# Altium PCB main_io.PcbDoc (part 4 of 6)
Units mil, origin at the board's own origin, x right, y up, seen from the top; angles counter-clockwise.
Board outline 6000 x 9000 mil, 4 copper layers (Top Layer, GND, PWR, Bottom Layer), stack 25.634 mil thick; 548 components, 268 nets, 1608 pads, 404 vias.
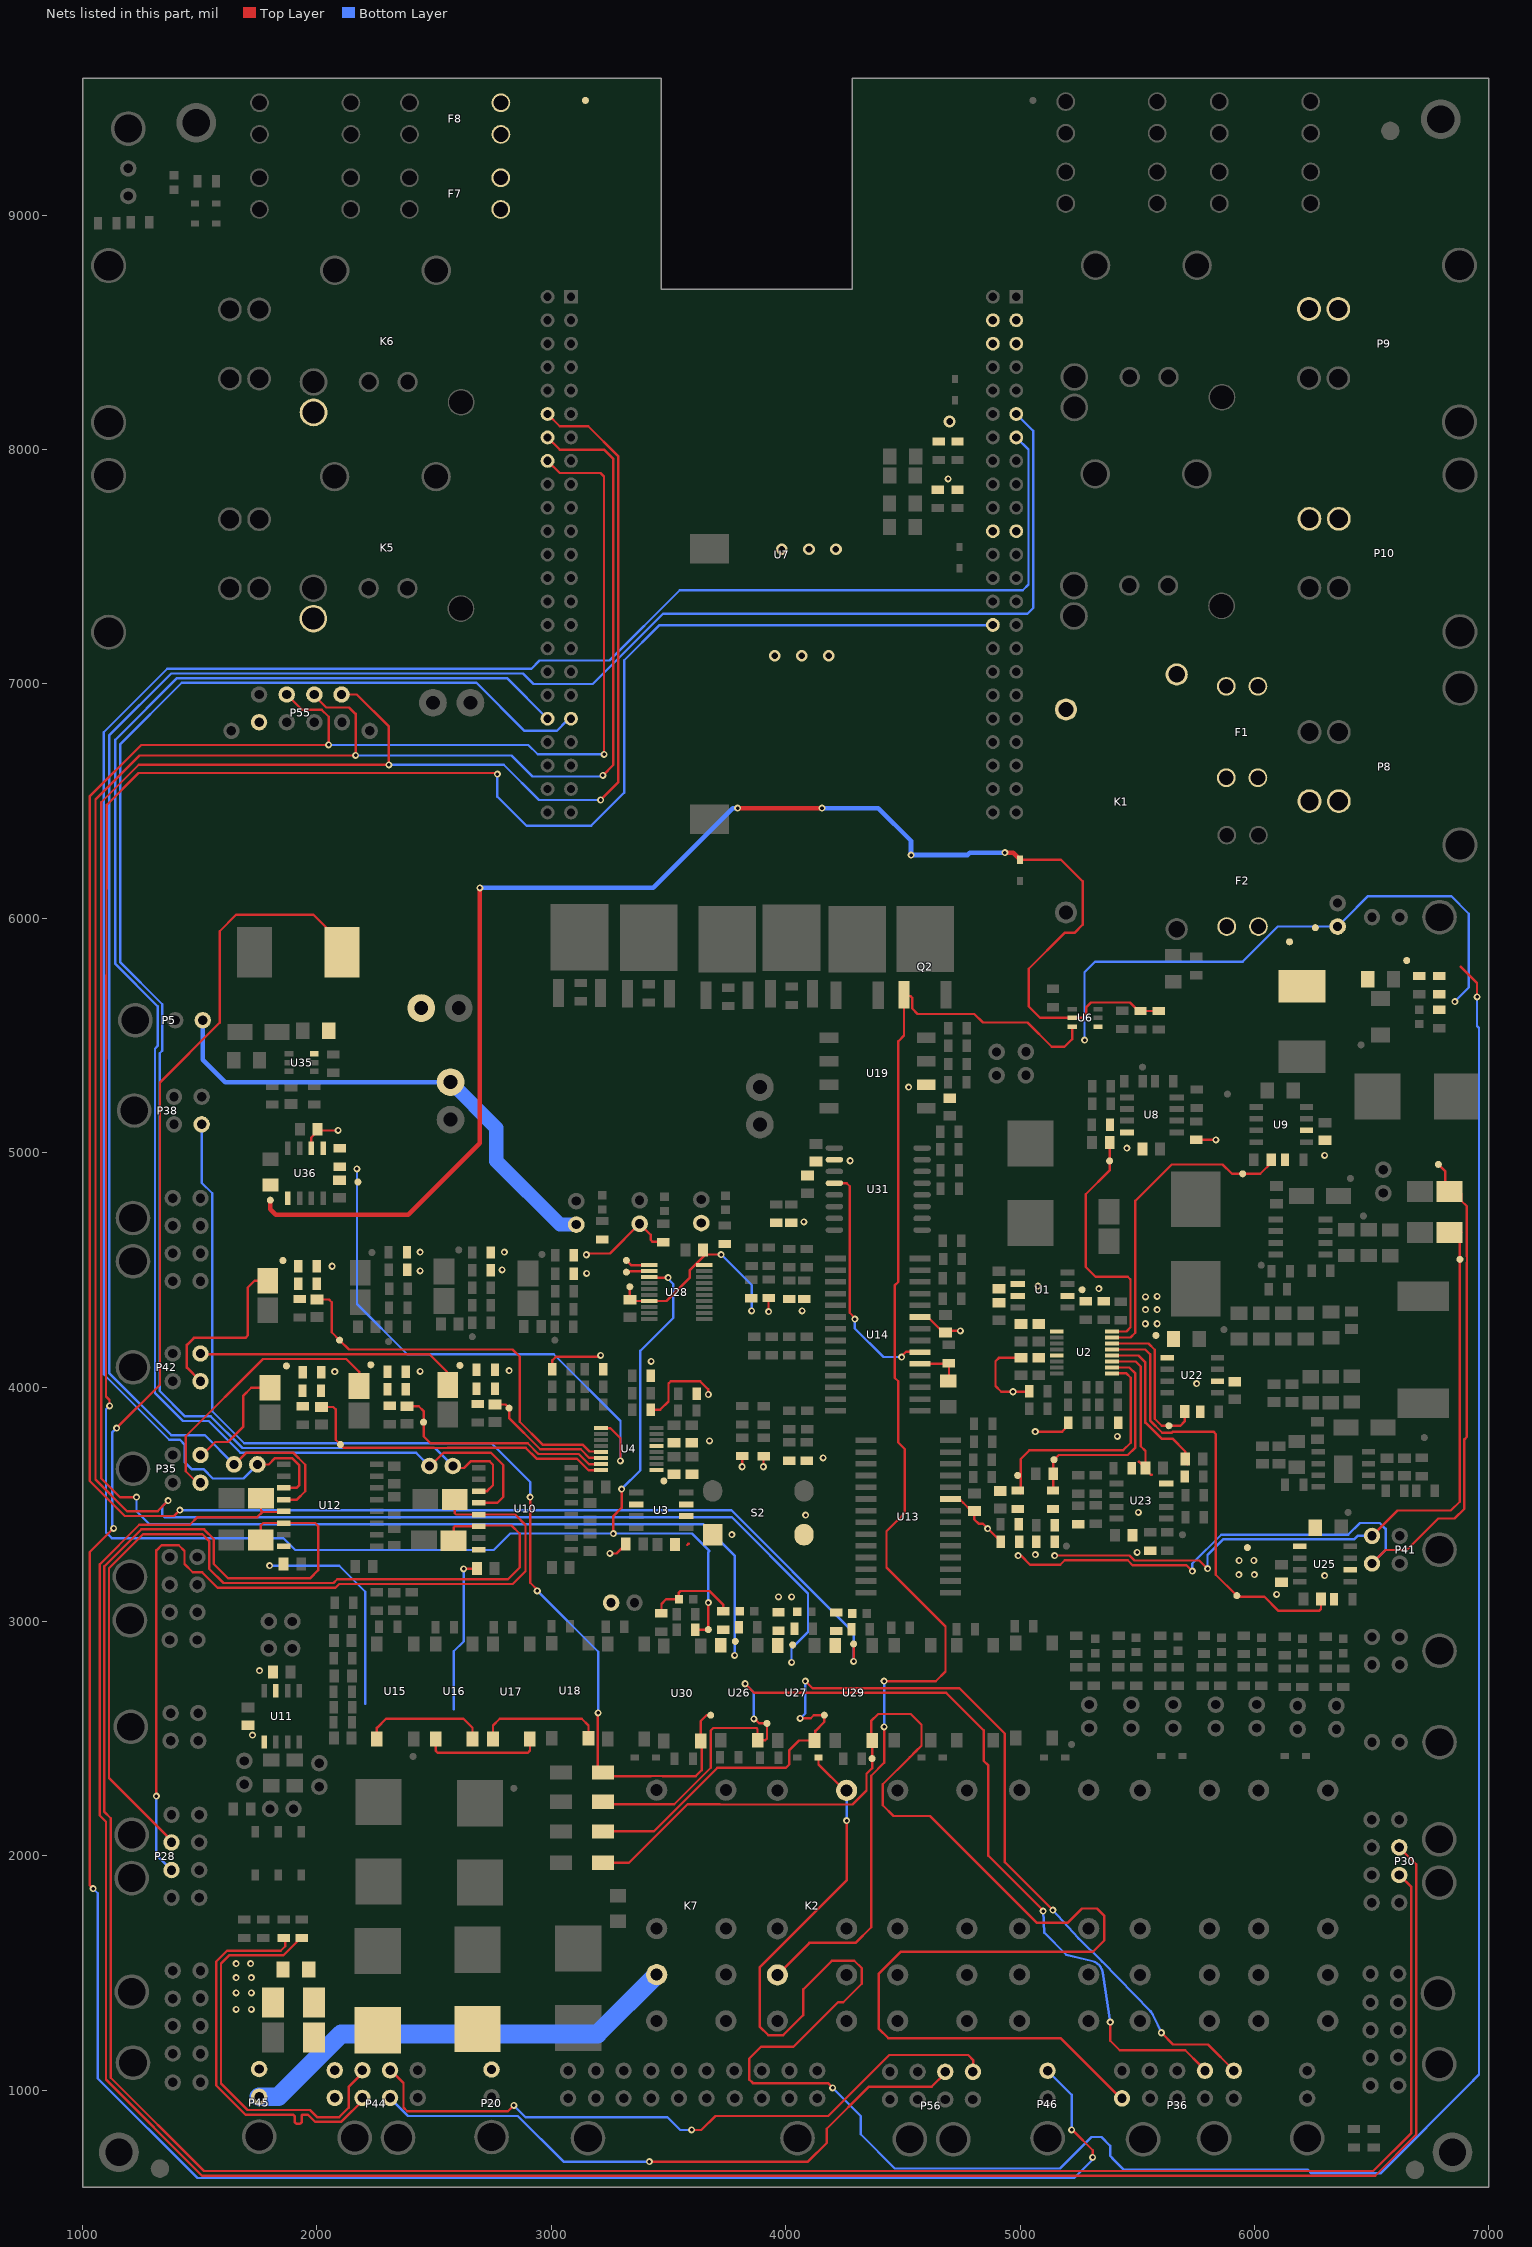
[diagram p6: the nets of this part, all layers, seen from the top]

## Via types
v1: diameter 30, hole 15, Top Layer to Bottom Layer, 396 vias
v2: diameter 50, hole 28, Top Layer to Bottom Layer, 8 vias

## Nets (pads, with @x,y where several pads share a name; then routed paths per layer and width w, separated by ;. In a path a pad name is that pad's centre, name@x,y a point inside that pad or via, vN(x,y) a via of type N, cw(c..) or ccw(c..) an arc to the next point about the centre after c; other vN are vias at no path point) (continued)
NetR213_1: R213.1 U36.5
NetU15_3: U15.3 U16.4 | length 535.3
  Top Layer w10: U15.3@2255.79,2498.5 2255.79,2545.79 2295,2585 2625,2585 2663.74,2546.26 U16.4@2663.74,2498.5
NetU16_3: U16.3 U17.4 | length 508.6
  Top Layer w10: U16.3@2506.26,2498.5 2506.26,2448.74 2515,2440 2900,2440 2908.74,2448.74 U17.4@2908.74,2497.87
NetU17_3: U17.3 U18.4 | length 548.1
  Top Layer w10: U17.3@2751.26,2497.87 2751.26,2556.26 2780,2585 3130,2585 3158.74,2556.26 U18.4@3158.74,2497.87
PRECHG_HRN: R67.1 R68.2 U14.5 | length 163.5
  Top Layer w10: U14.5@4573.13,4098.78 4689,4098.78 4696.87,4090.91 R67.1@4696.87,4054.41
PUMP_POS: F14.1 P45.2
PUMP_RET: K7.3 P45.1 | length 1912.1
  Bottom Layer w80: P45.1@1753.23,972 1835.52,972 2103.52,1240 3197.13,1240 K7.3@3449.72,1492.6
RETRO_0_MCU: P55.4 R162.1 R163.1 TP45.1 U7.112 U26.4 | length 10740
  Top Layer w10: v1(1230,3530) 1160,3530 1080,3610 1080,6495 1240,6655 v1(2307,6655) 2307,6818 2170,6955 P55.4@2105,6955 ; U7.112@2984,8152 3036,8100 3157.97,8100 3285,7972.97 3285,6580 v1(3210,6505) ; U26.4@3722.52,2898.39 U26.4@3722.52,2899.29
  Bottom Layer w10: v1(1230,3530) 1230,3470 1285,3415 3648.58,3415 3782,3281.58 v1(3782,2855) ; v1(2307,6655) 2797,6655 2947,6505 v1(3210,6505)
RETRO_0_SIG: D24.1 P36.7 TP46.1 U26.2 | length 4401.4
  Top Layer w10: D24.1@3221.21,2230 3231.49,2219.72 3524.31,2219.72 3680,2375.42 3680,2534.37 3690.63,2545 3875,2545 3880,2540 U26.2@3880,2492.87 3912.87,2492.87 3920,2500 TP46.1@3920,2565 3887.68,2565 3868.93,2583.75 v1(3864,2583.75) ; v1(3826.84,2734.07) 3865.91,2695 4685,2695 4845,2535 4845,2404.88 4865,2384.88 4865,2000 5098.79,1766.21 v1(5098.79,1763.79) ; v1(5385,1290) 5385,1210.39 5425.39,1170 5705,1170 5770,1105 P36.7@5770,1090
  Bottom Layer w10: v1(3826.84,2734.07) 3864,2696.91 v1(3864,2583.75) ; v1(5098.79,1763.79) 5102.93,1672.07 5197.07,1577.93 5307.29,1551.17 cw(c5293.07,1492.6) 5352.66,1501.7 v1(5385,1290)
RETRO_1_MCU: P55.3 R165.1 R166.1 TP47.1 U7.114 U27.4 | length 10940.5
  Top Layer w10: v1(1365,3515) 1320,3470 1190,3470 1055,3605 1055,6506.72 1243.28,6695 v1(2165,6695) 2165,6872.4 2137.4,6900 2039.8,6900 1984.8,6955 P55.3@1989,6955 ; U7.114@2984,8052 3036,8000 3225,8000 3265,7960 3265,6655 v1(3220,6610)
  Bottom Layer w10: v1(1365,3515) 1340,3490 1340,3455 1350,3445 3769.72,3445 4095,3119.72 4095,2955 4024.76,2884.76 4025,2884.53 v1(4025,2825) ; v1(2165,6695) 2830,6695 2920,6605 3215,6605 v1(3220,6610)
RETRO_1_SIG: D25.1 P36.6 TP49.1 U27.2 | length 4362.9
  Top Layer w10: D25.1@3221.21,2104 3436.87,2104 3707.87,2375 4000,2375 4016,2391 4016,2451 4057.24,2492.24 U27.2@4123.03,2492.24 4126.88,2496.09 4126.88,2532.88 4165,2571 TP49.1@4165,2600 4120,2600 4106.71,2586.71 4062.71,2586.71 v1(4062,2586) ; v1(4084.17,2745.08) 4084.92,2745.08 4115,2715 4741.69,2715 4935,2521.69 4935,1973.1 v1(5139.87,1768.23) ; v1(5603.34,1244.97) 5653.31,1195 5802.28,1195 P36.6@5914.28,1083
  Bottom Layer w10: v1(4062,2586) 4084.17,2608.17 v1(4084.17,2745.08) ; v1(5139.87,1768.23) 5248.49,1648.88 ccw(c5293.07,1689.45) 5250.87,1646.41 5349.28,1549.92 cw(c5293.07,1492.6) 5350.63,1548.56 5556.01,1337.29 cw(c5512.8,1295.28) 5567.26,1321.09 v1(5603.34,1244.97)
RETRO_2_MCU: P55.2 R170.1 R173.1 TP51.1 U7.116 U29.4 | length 10764.7
  Top Layer w10: v1(1415,3475) 1390,3450 1180,3450 1030,3600 1030,6520 1250,6740 v1(2050,6740) 2050,6860 2020,6890 1936,6890 P55.2@1871,6955 ; U7.116@2984,7952 3036,7900 3210,7900 3225,7885 v1(3225,6700) ; v1(4290,2830) 4290,2894.02 4295,2899.02 TP51.1@4290,2904.02
  Bottom Layer w10: v1(1415,3475) 3768,3475 4290,2953 v1(4290,2830) ; v1(2050,6740) 2902,6740 2942,6700 v1(3225,6700)
RETRO_2_SIG: D26.1 P36.5 TP52.1 U29.2 | length 5933
  Top Layer w10: D26.1@3221.21,1970 3331.15,1970 3581.15,2220 3719.76,2220 3720.78,2218.98 4284.97,2218.98 4345,2279.01 4345,2350 4368.74,2373.74 TP52.1@4368.74,2415 U29.2@4368.74,2492.24 4364.5,2496.48 4364.5,2574.5 4395,2605 4533.71,2605 4579.72,2558.98 4579.72,2469.72 4556.57,2446.57 4555.79,2446.57 4530,2420.78 4414.14,2304.92 4414.14,2215.86 4460,2170 4615.24,2170 5070.24,1715 5205,1715 5265,1775 5328,1775 5360,1743 5360,1640 5310,1590 4490.43,1590 4396.64,1496.22 4396.64,1263.36 4438,1222 5173,1222 P36.5@5435,960
RETRO_WHEEL_MCU: R178.2 TP53.1 U7.30 U28.3 | length 12148.9
  Top Layer w10: v1(1115,3920) 1115,3945 1100,3960 1100,5037.11 1103.78,6485 1238.78,6620 2775,6620 v1(2770,6615) ; v1(3265,3375) 3265,3450 3300,3485 v1(3300,3565) ; U28.3@3418.31,4469.29 3420.63,4466.97 v1(3498.03,4466.97) ; R178.2@3614.17,2964.65 3669.59,2964.65 TP53.1@3669.95,2965 3675,2970.05 3669.95,2975.11 3670,2975.16 v1(3670,3080)
  Bottom Layer w10: v1(1115,3920) 1100,3905 1100,3380 1125,3355 1857.6,3355 1907.6,3305 2754.43,3305 2824.43,3375 v1(3265,3375) 3600,3375 3675,3300 3669.95,3294.95 3670,3294.89 v1(3670,3080) ; v1(2770,6615) 2770,6519 2894,6395 3170,6395 3311.36,6536.36 3311.36,7101.36 3460,7250 U7.30@4884,7250 ; v1(3300,3565) 3380,3645 3380,4155 3520,4295 3520,4440 3498.03,4461.97 v1(3498.03,4466.97)
RETRO_WHEEL_SIG: D27.1 P38.3 TP54.1 U30.2 | length 4807.2
  Top Layer w10: v1(2910,3530) 2910,3165 2945,3130 v1(2940,3130) ; v1(3200,2610) 3198.35,2608.35 3198.35,2373.26 3200.39,2371.21 3205,2371.21 D27.1@3221.21,2355 3236.21,2340 3424.48,2340 3424.76,2340.28 3474.69,2340.28 3474.97,2340 3616.3,2340 3641.77,2365.47 3641.77,2485.71 U30.2@3637.48,2490 3637.48,2575 3662.48,2600 TP54.1@3680,2600
  Bottom Layer w10: P38.3@1508,5121 1508,4871.95 1553,4826.95 1553,3897 1690,3760 1708.22,3760 1708.54,3760.32 1783.46,3760.32 1783.78,3760 2745,3760 2910,3595 v1(2910,3530) ; v1(2940,3130) 2940.79,3130 3200,2870.79 v1(3200,2610)
RMS_CAN_N: P44.3 R137.2 | length 1664.3
  Top Layer w10: R137.2@1865,1640.63 1865,1614.29 1845.71,1595 1616.72,1595 1570.28,1548.56 1570.28,1019.72 1695,895 1860,895 1875,895 1896,895 cw(c1896,886) 1905,886 1905,866.11 ccw(c1914,866.11) 1914,857.11 1926,857.11 ccw(c1926,866.11) 1935,866.11 1935,890 cw(c1940,890) 1940,895 1961.72,895 1991.72,865 2103.28,865 2108.28,870 2109,870 P44.3@2194,955
RMS_CAN_P: P44.7 R136.2 | length 1683.3
  Top Layer w10: R136.2@1927.96,1637.84 1919.02,1637.84 1856.17,1575 1625,1575 1590.28,1540.28 1590.28,1028.01 1703.28,915 1970,915 2000,885 2095,885 2135,925 2135,1014 P44.7@2194,1073
RMS_Contactor_SIG: P44.6 P56.5 | length 2867.6
  Top Layer w10: P44.6@2312,1073 2327,1073 2369.63,1030.37 2369.63,925.65 2385.28,910 2815,910 v1(2840,935) ; v1(3599.14,830) 3640,830 3700,890 4181.72,890 4441.72,1150 4778.69,1150 4799.71,1128.98 P56.5@4799.71,1073
  Bottom Layer w10: v1(2840,935) 2890.5,884.5 3495.5,884.5 3550,830 v1(3599.14,830)
RMS_Precharge_SIG: P44.2 P56.6 | length 2674.1
  Top Layer w10: v1(3418.31,695) 4095,695 4175,775 4175,835 4355,1015 4623.71,1015 P56.6@4681.71,1073
  Bottom Layer w10: P44.2@2312,967 2389,890 2856.72,890 3051.72,695 v1(3418.31,695)
RMS_PWR: C50.1 F13.1 P44.4 P44.8
RTC_RST_n: U14.6 U31.4 | length 1016.4
  Top Layer w10: U31.4@4207.99,4870 4260,4870 4273.13,4856.87 4273.13,4316.87 4295,4295 v1(4295,4290) ; v1@4500.12,4138 4513.18,4151.06 4570.85,4151.06 U14.6@4573.13,4148.78
  Bottom Layer w10: v1(4295,4290) 4295,4250 4416.87,4128.13 v1(4495,4128.13)
SLG_EN: TP48.1 U28.1 | length 106.3
  Top Layer w10: TP48.1@3320.24,4540.32 3340.08,4520.47 U28.1@3418.31,4520.47
SLG_RST: TP50.1 U28.2 | length 100
  Top Layer w10: TP50.1@3320.24,4490.32 3324.8,4494.88 U28.2@3418.31,4494.88
TELEM_I_5V: C61.1 R144.2 TP38.1 U2.14 | length 676.4
  Top Layer w10: U2.14@5393.11,4186.2 5547.82,4186.2 5575,4159.02 5575,3865.02 5605.02,3835 5684.35,3835 5702.4,3853.05 C61.1@5702.4,3895
TELEM_I_12V: C72.1 R156.2 TP43.1 U2.13 | length 1920
  Top Layer w10: U2.13@5393.11,4160.61 5534.39,4160.61 5555,4140 5555,3856.73 5606.73,3805 5647.43,3805 5652.43,3810 5825,3810 5835.51,3799.49 5835.51,3199.49 TP43.1@5925,3110 5930,3105 6042.99,3105 6102.99,3045 6276,3045 6284.4,3053.4 C72.1@6284.4,3095
TELEM_I_24V: C18.1 R59.2 TP11.1 U2.15 | length 1363.4
  Top Layer w10: U2.15@5393.11,4211.79 5471.74,4211.79 5492.05,4232.09 5492.05,4386.98 5492.05,4794.56 5647.49,4950 5864.37,4950 5904.37,4910 TP11.1@5950,4910 6025,4910 6072.4,4957.4 C18.1@6072.4,4970
TELEM_I_28V: C85.1 R213.2 TP58.1 U4.9 | length 2276.6
  Top Layer w10: U4.9@3212.29,3825.75 3212.29,3824.02 3252.7,3824.02 3295,3781.72 v1(3295,3685)
  Bottom Layer w10: v1(2170.8,4931.13) 2170.8,4354.2 2385,4140 3010,4140 3295,3855 v1(3295,3685)
TELEM_THERM_0: C41.1 R111.2 TP19.1 U4.16 | length 1381.9
  Top Layer w10: C41.1@2019.41,3914.91 2069.91,3914.91 2080,3904.83 2080,3775 2114.57,3740.43 2498.88,3740.43 2499.32,3740 2556.67,3740 2557.1,3740.43 2890.91,3740.43 2936.34,3695 2936.86,3695 2937.3,3694.57 3108.67,3694.57 3158.39,3644.85 3210.52,3644.85 U4.16@3212.29,3646.61
TELEM_THERM_1: C42.1 R112.2 TP20.1 U4.15 | length 994
  Top Layer w10: C42.1@2385,3918.09 2434.54,3918.09 2455,3897.63 2455,3835 2455,3790 2484.57,3760.43 2507.17,3760.43 2507.6,3760 2548.38,3760 2548.82,3760.43 2899.2,3760.43 2944.63,3715 2945.15,3715 2945.58,3714.57 3116.95,3714.57 3161.05,3670.47 3210.56,3670.47 U4.15@3212.29,3672.2
TELEM_THERM_2: C40.1 R110.2 TP18.1 U2.9 | length 1015.3
  Top Layer w10: TP18.1@4989.96,3623.03 TP18.1@4995,3628.07 ; R110.2@5002.83,3546.98 5002.83,3692.83 5040,3730 5440,3730 5472.09,3762.09 5472.09,4039.92 5453.76,4058.24 U2.9@5393.11,4058.24
TELEM_THERM_3: C46.1 R123.2 TP28.1 U2.10 | length 927.6
  Top Layer w10: R123.2@5140.63,3558.42 5142.4,3560.2 C46.1@5142.4,3630 5142.4,3687.4 TP28.1@5145,3690 5165,3710 5460,3710 5492.09,3742.09 5492.09,4057.91 5466.17,4083.83 U2.10@5393.11,4083.83
TELEM_THERM_4: C45.1 R122.2 TP27.1 U4.14 | length 571.2
  Top Layer w10: C45.1@2760,3925.45 2804.55,3925.45 TP27.1@2820,3910 2820,3867.91 2952.91,3735 2953.43,3735 2953.86,3734.57 3125.24,3734.57 3162.01,3697.8 U4.14@3212.29,3697.8
TELEM_THERM_5: C44.1 R119.2 TP26.1 U4.13 | length 1719.1
  Top Layer w10: C44.1@2000.8,4373.98 2051.02,4373.98 2063.13,4361.87 2063.13,4233.7 TP26.1@2096.83,4200 2136.83,4160 2835,4160 2865,4130 2865,3851.72 2962.15,3754.57 3133.52,3754.57 3162.97,3725.12 3210.56,3725.12 U4.13@3212.29,3723.39
TELEM_V_5V: C64.1 R147.2 U2.11 | length 618.3
  Top Layer w10: U2.11@5393.11,4109.43 5493.49,4109.43 5515,4087.91 5515,3747.09 5535.39,3726.69 5535.39,3653.82 5507.17,3682.05 ; 5557.17,3626.09 5562.17,3626.09
TELEM_V_12V: C74.1 R159.2 U2.12 | length 690.1
  Top Layer w10: U2.12@5393.11,4135.02 5504.87,4135.02 5535,4104.88 5535,3848.45 5603.45,3780 5650,3780 5704.69,3725.31 5704.69,3678.75 C74.1@5713.23,3670.22
TELEM_V_24V: C20.1 R62.2 TP12.1 U2.16 | length 1076.4
  Top Layer w10: C20.1@5382.28,5043.31 5382.28,4924.17 5280.52,4822.42 5280.52,4512.71 5322.6,4470.63 5459.89,4470.63 5470.52,4460 5471.57,4460 5471.57,4255 5453.95,4237.38 U2.16@5393.11,4237.38
THERM_OUT_0: D12.1 P35.4 R106.1 R111.1 TH2.2 TP16.1 | length 495.7
  Top Layer w10: P35.4@1503,3703 1565.88,3765.88 1620.88,3765.88 1685,3830 1685,3962.36 1719.58,3996.94 D12.1@1799.41,3996.94
THERM_OUT_1: D13.1 P35.3 R107.1 R112.1 TH3.2 TP17.1 | length 1195
  Top Layer w10: P35.3@1503,3585 1496.05,3585 1440,3641.05 1440,3790 1770,4120 2125,4120 2180,4065 D13.1@2180,4004.68
THERM_OUT_2: D14.1 P41.4 R105.1 R110.1 TH1.2 TP15.1 | length 3881.3
  Top Layer w10: v1(4991.69,3281.05) 5003.95,3281.05 5043.03,3241.97 5171.97,3241.97 5191.09,3261.09 5459.27,3261.09 5480.36,3240 5710,3240 v1(5735,3215) ; P41.4@6502,3247 6560,3305 6650,3305 6784.23,3439.23 6854.23,3439.23 6895.9,3480.9 6895.9,3776.73 6906,3786.83 6906,4531.64 6906.93,4532.57 6906.93,4557.43 6906,4558.36 6906,4772 6882.99,4795.01 D14.1@6882.99,4825 ; TP15.1@6785,4950 6815,4920 6815,4852.28 D14.1@6832.28,4835
  Bottom Layer w10: v1(5735,3215) 5735,3246.72 5858.28,3370 6400,3370 6450,3420 6535,3420 6560,3395 6560,3305 P41.4@6502,3247
THERM_OUT_3: D18.1 P41.3 R117.1 R123.1 TH6.2 TP25.1 | length 3056.7
  Top Layer w10: v1(5147.17,3281.09) 5467.55,3281.09 5488.64,3260 5765,3260 v1(5800,3225) ; P41.3@6502,3365 6610,3473 6838.11,3473 6875.9,3510.79 6875.9,3785.02 6876.93,3786.04 TP25.1@6876.93,4545 6876.93,4653.94 D18.1@6882.99,4660
  Bottom Layer w10: v1(5800,3225) 5800,3283.43 5866.57,3350 6425,3350 6440,3365 P41.3@6502,3365
THERM_OUT_4: D16.1 P42.4 R118.1 R122.1 TH5.2 TP24.1 | length 1143.5
  Top Layer w10: P42.4@1503,4143.12 1503,4140 2480,4140 2555,4065 2555,4012.18 D16.1@2558.15,4009.03
THERM_OUT_5: D17.1 P42.3 R116.1 R119.1 TH4.2 TP23.1 | length 757.5
  Top Layer w10: P42.3@1503,4025.12 1445,4083.12 1445,4180 1474.88,4209.88 1694.88,4209.88 1705,4220 1705,4425 1733.92,4453.92 D17.1@1790,4453.92
Therm_PWR: C16.1 F12.2 P20.2
UART2_RXD: U7.22
UART2_TXD: U7.21
UART4_RXD: P13.2 U7.11 U12.12 | length 9043
  Top Layer w10: P13.2@1646,3669.89 1648.46,3669.89 1698.9,3720.32 1898.36,3720.32 1950,3668.68 1950,3555.57 1914.32,3519.89 U12.12@1858.94,3519.89
  Bottom Layer w10: P13.2@1646,3669.89 1520.89,3795 1378.25,3795 1113.1,4060.16 1113.1,6780.1 1378,7045 2879,7045 2924,7000 3176.64,7000 3476.64,7300 5032,7300 5056,7324 5056,8080 U7.11@4984,8152
UART4_TXD: P13.1 U7.13 U12.11 | length 8862.3
  Top Layer w10: P13.1@1746,3669.89 1794.32,3669.89 1821.13,3696.7 1893.69,3696.7 1925,3665.39 1925,3581.68 1913.2,3569.89 U12.11@1858.94,3569.89
  Bottom Layer w10: P13.1@1746,3669.89 1686.11,3610 1555.71,3610 1515.71,3650 1465,3650 1435,3680 1435,3755 1415,3775 1369.97,3775 1090,4054.97 1090,5460 1090,6794 1361,7065 2915,7065 2950,7100 3248.35,7100 3548.35,7400 5012,7400 5036,7424 5036,8000 U7.13@4984,8052
UART5_RXD: P14.2 U7.138 U10.12 | length 6811.6
  Top Layer w10: P14.2@2475,3655 2540,3720 2742.13,3720 2795,3667.13 2795,3531 2770,3506 U10.12@2690,3506
  Bottom Layer w10: P14.2@2480,3663.21 2423.21,3720 1767.21,3720 1766.89,3720.32 1725.11,3720.32 1724.79,3720 1673.43,3720 1538.43,3855 1428.72,3855 1309,3974.72 1309,5444 1320,5455 1320,5625 1140,5805 1140,6762 1403,7025 2811,7025 U7.138@2984,6852
UART5_TXD: P14.1 U7.137 U10.11 | length 6728.1
  Top Layer w10: P14.1@2573.21,3670 P14.1@2580,3663.21 2588.21,3655 2627.43,3655 2655.24,3682.81 2737.19,3682.81 2751.26,3668.74 2751.26,3581.26 2726,3556 U10.11@2690,3556
  Bottom Layer w10: P14.1@2580,3663.21 2503.21,3740 1775.5,3740 1775.17,3740.32 1716.83,3740.32 1716.5,3740 1681.72,3740 1546.72,3875 1437,3875 1329,3983 1329,5424.51 1340,5435.51 1340,5633.28 1160,5813.28 1160,6742 1423,7005 2681,7005 2886,6800 3023.28,6800 3065,6841.72 3065,6852 U7.137@3084,6852
UART_RXD_RS232_0: D8.2 P28.2 U10.13 | length 3689.8
  Top Layer w10: v1(1315,2255) 1315,3303.13 1336.87,3325 1410,3325 1435,3300 1435,3245 1470,3210 1510,3210 1576.26,3143.74 2078.59,3143.74 2094.85,3160 2835.74,3160 2890,3214.26 2890,3411.89 2845.89,3456 U10.13@2690,3456 2594,3456 2587.99,3462.01 D8.2@2587.99,3520
  Bottom Layer w10: v1(1315,2255) 1315,2003.49 P28.2@1379.49,1939
UART_RXD_RS232_1: D10.2 P30.2 U12.13 | length 10239.1
  Top Layer w10: D10.2@1761,3525.68 1761,3473.89 1767.71,3467.18 ; U12.13@1858.94,3469.89 1856.23,3467.18 1767.71,3467.18 ; P30.2@6618.27,2036 6690,1964.27 6690,809.28 6515.72,635 1510,635 1100,1045 1100,2145 1073,2172 1073,3243.43 1242.18,3412.61 1457.61,3412.61 1490,3445 1745.53,3445 1767.71,3467.18
UART_TXD_RS232_0: D7.2 P28.3 U10.14 | length 3753.6
  Top Layer w10: P28.3@1375,2070 1113,2332 1113,3226.86 1258.75,3372.61 1510.39,3372.61 1540,3343 1540,3225 1601.26,3163.74 2070.31,3163.74 2086.57,3180 2815,3180 2865,3230 2865,3373.91 2829.54,3409.37 U10.14@2696.38,3409.37 ; D7.2@2582.99,3344.27 2582.99,3400.57 2588.43,3406 U10.14@2690,3406
UART_TXD_RS232_1: D9.2 P30.3 U12.14 | length 10741.9
  Top Layer w10: D9.2@1760.37,3348.14 1760.37,3409.66 1770.6,3419.89 U12.14@1858.94,3419.89 1992.51,3419.89 2005,3407.4 2005,3218.74 1970,3183.74 1621.26,3183.74 1560,3245 1560,3351.28 1518.67,3392.61 1250.46,3392.61 1093,3235.15 1093,2187 1120,2160 1120,1053.28 1518.28,655 6507.43,655 6670,817.57 6670,1866.27 P30.3@6618.27,1918
V-4P5VRef_1: C3.1 C4.1 TP1.1 U1.6 U2.1
V-4P5VRef_2: C9.1 C10.1 TP2.1 U3.6 U4.1
V-BUS_PROT: F1.2 F2.2 L2.1 R27.2 R57.1 TP3.1 TP8.1
V-POS3.3V: C26.1 C27.2 C33.1 C48.1 C75.1 C76.1 C78.2 C79.1 LED6.1 LED7.1 LED8.1 LED9.1 P31.1 R39.2 R40.2 R41.2 R42.2 R49.2 R69.2 R81.2 R163.2 R166.2 R173.2 R176.2 TP7.1 U7.3 U7.4 U10.16 U11.5 U12.16 U19.2 U28.7 U28.20 U31.2 | length 2905
  Top Layer w10: v1(2626,3224) 2619,3224 2618,3225 C26.1@2682.6,3225 ; TP7.1@3335,4428.07 3335,4372.95 C75.1@3335.24,4372.72 3341.02,4366.93 U28.7@3418.31,4366.93 3491.35,4366.93 3590,4465.57 3590,4497.24 3658.27,4565.51 v1(3725,4565.51) ; R176.2@3470,3034.37 3470,3075 3490,3095 LED9.1@3544.49,3095 3544.49,3123.64 3550.85,3130 3675,3130 3733.03,3071.97 R163.2@3733.03,3042.99 ; v1(3814.49,3660) R69.2@3814.49,3705.63
  Bottom Layer w10: v1(1798,3238) 2095,3238 2206,3127 2206,2648 ; 2584,2624 2584,2872.9 2626,2914.9 v1(2626,3224) ; v1(3725,4565.51) 3855,4435.51 v1@3855,4327.99
  other v1: 1725,2515 3969.37,3105 4025,3105 3855,4325 4275,4965.63 4525,5280 4692.78,7875
  other v2: 3953.86,7120 4068.86,7120 4183.86,7120 3983.86,7575 4099.49,7575 4214.49,7575 4699.49,8120
V-POS5V: C1.1 C2.1 C5.1 C6.1 C7.1 C8.1 C11.1 C12.1 C14.1 C19.2 C28.2 C34.1 C35.1 C62.2 C63.1 C73.2 C86.2 P2.1 P32.1 P47.2 P55.5 R1.2 R2.2 R3.2 R4.2 R5.2 R12.2 R13.2 R14.2 R15.2 R16.2 R47.2 R70.2 R71.2 R72.2 R82.2 R83.2 R84.2 R105.2 R106.2 R107.2 R108.2 R116.2 R117.2 R118.2 R120.2 R128.2 R139.2 R142.2 R146.2 R180.2 R181.2 S2.1 TP35.1 U1.2 U1.3 U2.5 U3.2 U3.3 U4.5 U7.5 U7.6 U8.8 U9.6 U11.3 U13.9 U14.9 U22.1 U22.6 U23.8 U25.6 U36.6 | length 2581.5
  Top Layer w10: U36.6@1976.06,5019.69 1976.06,5065 1999.25,5088.19 1999.25,5096.85 2001.1,5095 v1(2090,5095) ; R14.2@3003.92,4076.17 3003.92,4113.92 3018.78,4128.78 3203.15,4128.78 v1(3210,4135.63) ; v1(3150,4564.63) 3155.37,4570 3249.87,4570 P32.1@3376.76,4696.89 3424.37,4649.28 3424.37,4627.38 3431.12,4620.63 3480.81,4620.63 R142.2@3482.74,4622.56 ; v1(3250,3290) 3277.6,3290 C7.1@3317.6,3330 ; R15.2@3424.37,3903.9 3465.22,3903.9 3500,3938.68 3500,4015 3510,4025 3635,4025 3670,3990 v1(3670,3968.27) ; 3580,3326.13 3585.91,3332.05 ; v1(3905,3660) 3905.69,3660.69 R72.2@3905.69,3705.37 ; v1(3927.05,4322.05) R82.2@3927.05,4379.96 ; U14.9@4573.13,4298.78 4606.22,4298.78 4672.4,4232.6 C34.1@4682.31,4232.6 4684.41,4230.5 4693.91,4240 v1(4745,4240) ; U13.9@4703.33,3522.61 4741.76,3522.61 4757.8,3506.57 4793.28,3471.09 C35.1@4805,3471.09 4805,3435 4822.7,3417.3 4840.95,3417.3 v1(4862.17,3396.09) 4917.6,3340.65 R105.2@4917.6,3339.05 ; C6.1@5005,4124.64 4909.64,4124.64 4895,4110 4895,4005 4920,3980 v1(4970,3980) 5021.25,3980 5031.13,3989.88 R5.2@5038.78,3982.24 ; v1(5065,3810) 5180,3810 5205.63,3835.63 R3.2@5205.63,3847.1 ; R47.2@5752.51,5054.76 5835.12,5054.76 v1(5835.51,5054.37)
  other v1: 1754.9,2790.51 6095,3115 6300,3195 5065.63,3285 3770,3370 4085,3453.87 5505.22,3465 4160,3697.87 3675,3770 5415,3790 5753.62,4015 2076,4065.5 2440,4066.66 2820,4070.5 3426,4109.43 5535.2,4270.2 5585,4270.2 4070,4325 5535.39,4330 5585,4330 5535.39,4385 5585,4387.13 5336.26,4420.38 5076.14,4430.57 2065,4515.5 2440,4575.5 2800,4575.5 4078.14,4705 6300,4989 5456.21,5020
V-POS12V: F12.1 F13.2 P4.1 P5.2 P33.1 R109.2 R121.2 R129.2 R150.2 R152.2 R158.2 TP42.1 U25.1 | length 2135.4
  Bottom Layer w20: P5.2@1513,5565 1513,5397 1608.83,5301.17 P4.1@2570,5301.17
  Bottom Layer w60: P4.1@2570,5301.17 2765,5106.17 2765,4965 3036.48,4693.52 P33.1@3106.3,4693.52
  other v1: 1655.39,1345 1720,1345 1655.39,1415 1720,1415 1655.39,1480 1720.39,1480 1655,1540 1717.4,1540 5934.25,3200 6000,3200 5935,3260 5997.6,3260 5500,3295 3151,4485.5 2440.59,4495.9 2790,4500
V-POS_HV_12V: C82.1 L5.1 P46.2 U35.6 | length 10771.5
  Top Layer w10: v1(1045,1860) 1030,1875 1030,3295 v1(1132.22,3397.22) ; v1(1145,3825) 1330,4010 1330,5300 1585,5555 1585,5945 1655,6015 1985,6015 2107.01,5892.99 L5.1@2107.01,5855 ; L5.1@2141.1,5855 L5.1@2141.1,5882.01 ; v1(5220,830) 5213.36,823.36 5229.91,823.36 5310,743.27 v1(5310,713)
  Bottom Layer w10: v1@1040,1865 v1(1045,1860) 1065,1840 1065,1050 1490,625 5231.54,625 5310,703.46 v1(5310,713) ; v1(1132.22,3397.22) 1126,3403.43 1126,3806 v1(1145,3825) ; P46.2@5117.52,1083 5220,980.52 v1(5220,830) ; v1(5220,830) 5220,822.57 5212.57,830 v1(5220,830)
VBATT-1S: F7.2 F8.2 K5.3 K6.3 P9.2 P10.2 TP6.1
VOLTAGE_SIG: K2.3 P6.1 Q2.1 R28.1 R32.2 TP4.1 U6.1 U6.6 | length 8301
  Top Layer w10: K2.3@3964.72,1491.85 4101.3,1628.43 4298.43,1628.43 4365,1695 4365,2341.72 4420,2396.72 v1(4420,2550) ; v1(4420,2745) 4640,2745 4681.71,2786.71 4681.71,2978.29 4430,3230 4430,3384.78 4475.22,3430 4475.71,3430 4508.39,3462.68 4508.39,3735.27 4480,3763.66 4480,4025 4465,4040 4465,4433.07 4480,4448.07 4480,4946.03 4480,5435.16 4480,5475 4505,5500 4505,5655.45 4492.03,5668.43 4532.28,5668.43 4540,5660.71 4540,5615 4562.91,5592.09 4805.06,5592.09 4841.63,5555.51 5032,5555.51 5135.51,5452 5190,5452 5222.68,5484.68 5222.68,5517.89 U6.6@5222.68,5538.11
  Bottom Layer w10: v1@4410,2745 v1(4420,2745) ; v1(4420,2550) v1@4420,2731.69 ; v1(5275.28,5480) 5275.28,5770.28 5320,5815 5949.72,5815 6099.72,5965 P6.1@6355,5965 6383.16,5993.16 6485,6095 6840,6095 6915,6020 6915,5705 v1(6855,5645)
VPOS-24V_RAW: D1.2 D2.2 F1.1 K1.1 K1.3 K2.8 P8.1 R28.2 R29.2 R30.2 R209.2 TP57.1 U6.5 U36.1 | length 17514.3
  Top Layer w10: D2.2@4140,2423.78 4140,2390 4250.75,2279.25 K2.8@4260,2279.25 ; v1(4200,1010) 4180,1030 3860.06,1030 3845,1045.06 3845,1135 3895,1185 4033.28,1185 4223.56,1375.28 4245.28,1375.28 4324.37,1454.37 4324.37,1520.63 4292.87,1552.13 4197.13,1552.13 4075,1430 4075,1320.03 3989.69,1234.72 3925.28,1234.72 3890,1270 3890,1525 4260,1895 v1(4260,2150) ; D1.2@5000,6250.28 5174.72,6250.28 5267,6158 5267,5973 5232,5938 5190,5938 5037,5785 5037,5624 5085.49,5575.51 U6.5@5222.68,5575.51 5263.51,5575.51 5282,5594 5282,5620 5303,5641 5469,5641 5505.63,5604.37 R30.2@5514,5604.37 R29.2@5591,5604.37 ; 6880,5794.37 6950,5724.37 v1(6950,5665)
  Top Layer w20: TP57.1@1801.06,4797.4 1801.06,4758.94 1825,4735 2390,4735 2695,5040 v1(2695,6130) ; v1(3795,6470) v1(4155,6470) ; v1(4935,6280) 4970.28,6280 D1.2@5000,6250.28
  Bottom Layer w10: v1(4200,1010) 4320,890 4320,811.72 4465.72,666 5170.95,666 5304.95,800 5347,800 5384.5,762.5 5384.5,719.93 5393,711.43 ; v1(4260,2150) K2.8@4260,2279.25 ; 4776.26,6270 4781.26,6275 ; 5392.14,710.57 5441.86,660.86 6227.57,660.86 6243.43,645 6538,645 6933.33,1040.33 6933.33,1041.67 6958.1,1066.43 6958.1,1069 6958.1,5532.14 6950,5540.24 v1(6950,5665)
  Bottom Layer w20: v1(2695,6130) 3435,6130 3775,6470 v1(3795,6470) ; v1(4155,6470) 4395,6470 4535,6330 v1(4535,6270) 4776.26,6270 ; 4781.26,6275 4786.26,6280 v1(4935,6280)
pads on no net: K2.2 K2.7 K3.5 K4.5 K5.5 K6.5 K7.2 K7.6 K7.7 K8.2 K8.5 K8.6 K8.7 K9.2 K9.7 K10.2 K10.7 K11.2 K11.5 K11.6 K11.7 MH1.2 MH2.2 MH3.2 MH4.2 P5.3 P7.3 P8. P9. P10. P11. P12. P17.3 P18.3 P18.4 P18.5 P18.6 P18.14 P18.15 P18.16 P18.18 P18.21 P19.3 P20.3 P21.5 P27.11 P28.1 P28.9 P29.11 P30.1 P30.9 P35.5 P36.11 P37.9 P38.5 P39.5 P40.3 P41.5 P42.5 P43.9 P44.9 P45.3 P46.3 P55. P55.6 P55.7 P55.8 P56.9 S1.1 S1.6 TP59.1 TP60.1 TP61.1 U1.1 U1.5 U1.7 U1.8 U3.1 U3.5 U3.7 U3.8 U7.7 U7.8 U7.9 U7.10 U7.12 U7.14 U7.15 U7.16 U7.25 U7.27 U7.28 U7.29 U7.31 U7.32 U7.33 U7.34 U7.35 U7.36 U7.37 U7.38 U7.39 U7.40 U7.41 U7.42 U7.103 U7.104 U7.105 U7.106 U7.107 U7.109 U7.111 U7.113 U7.115 U7.117 U7.118 U7.119 U7.120 U7.121 U7.122 U7.123 U7.124 U7.125 U7.126 U7.127 U7.128 U7.129 U7.130 U7.131 U7.132 U7.133 U7.134 U7.135 U7.136 U7.139 U7.140 U7.141 U7.142 U7.143 U7.144 U7.145 U7.146 U9.4 U10.7 U10.8 U10.9 U10.10 U12.7 U12.8 U12.9 U12.10 U13.11 U13.14 U13.19 U13.20 U13.21 U14.11 U14.14 U14.19 U14.20 U19.5 U19.6 U19.7 U19.8 U21.2 U21.3 U22.4 U24.3 U25.4 U28.4 U28.5 U28.6 U28.8 U28.9 U28.11 U28.14 U28.15 U28.16 U28.17 U28.18 U28.19 U35.5 U36.4

## Polygon pours and split planes (outlines as drawn)
V-POS3.3V on Bottom Layer "Bottom Layer-V-POS3.3V" (solid, remove dead copper, pour order 858): 22 vertices, not listed, extent 1638.9,2355 4670.7,6035
"MSTR_SW +" on Bottom Layer "Bottom Layer-MSTR_SW +" (solid, remove dead copper, pour order 854): 25 vertices, not listed, extent 1050,870 6700,5705
NetF3_2 on Bottom Layer "Bottom Layer-NetF3_2" (solid, pour order 56): 5065.93,8162.22 5055.91,7115 5480,7115 5390,7216.11 5390,7705 5250,7831.8 5250,8027.18 5305,8120.79 5305,8162.22
NetF2_1 on Bottom Layer "Bottom Layer-NetF2_1" (solid, pour order 110): 6120,6490 6105,6505 5455,6505 5459.76,5920.08 5490.08,5890 5497,5890 5720,5890 5745,5915 5745,6125 5840,6220 6125,6220
NetF3_2 on Bottom Layer "Bottom Layer-NetF3_2 1" (solid, pour order 54): 5350,9550 4823.59,9550 4725,9451.41 4733.74,8685 4965,8685 5005,8645 5005,8150.12 5034.06,8120.34 5283.99,8114.26 5305,8134.76 5305,8250 5180,8641.41 5180,8905 5350,9170
NetF10_1 on Bottom Layer "Bottom Layer-NetF10_1 1" (solid, pour order 14): 1568.61,9553.61 1565,9550 1565,8460 1645,8380 1830,8380 1989.41,8539.41 1989.41,9565
NetF9_1 on Bottom Layer "Bottom Layer-NetF9_1 1" (solid, pour order 4): 1537.03,9235 1860,9235 1860,8680 1492.03,8680
NetF9_1 on Bottom Layer "Bottom Layer-NetF9_1 2" (solid, pour order 0): 1560,9235 1505,9235 1030,8760 1030,7560 1125,7465 1560,7465
V-POS3.3V on Bottom Layer "Bottom Layer-V-POS3.3V 1" (solid, pour order 876): 4025,7180 3905,7180 3890,7165 3890,7155 3890,5905 3945,5850 4315,5850 4315,6130 4225,6220 4225,7155 4205,7175
V-POS3.3V on Bottom Layer "Bottom Layer-V-POS3.3V 2" (solid, pour order 870): 4980,8580 4975,8585 3915,8585 3885,8555 3885,8415 3885,7570 3930,7525 4720,7525 4755,7560 4755,8465 4795,8505 4980,8505
NetF7_1 on Bottom Layer "Bottom Layer-NetF7_1 2" (solid, pour order 28): 2024.75,8034.75 2005,8015 2005,7685 2055,7635 2865,7635 2910,7680 2910,7989.66 2879.67,8020.51
NetF3_2 on Bottom Layer "Bottom Layer-NetF3_2 2" (solid, pour order 104): 6130,7530 5095,7530 5090,7535 5090,7115 6130,7115 6135,7110
NetF3_2 on Bottom Layer "Bottom Layer-NetF3_2 3" (solid, pour order 102): 6125.4,6730 6492,6730 6492,7515 6477,7530 6130,7530
NetF5_1 on Bottom Layer "Bottom Layer-NetF5_1" (solid, pour order 84): 6422.17,8825 6670,8825 6670,8005 6145,8005 6060,8090 6095,8125 6095,8395
NetF5_1 on Bottom Layer "Bottom Layer-NetF5_1 1" (solid, pour order 82): 6095,9265 6105,9255 6105,8730 6390,8730 6675,8445 6675,9257.56
VBATT-1S on Bottom Layer "Bottom Layer-VBATT-1S" (solid, pour order 80): 6140,8395.29 6140,8090 6430,7800 6430,7545 6425,7540 5995,7540 5945,7590 5945,8429.71
VBATT-1S on Bottom Layer "Bottom Layer-VBATT-1S 1" (solid, pour order 78): 5945,8700 6375,8700 6450,8625 6450,8455 6380,8385 5945,8385 5940,8390
NetF3_1 on Bottom Layer "Bottom Layer-NetF3_1" (solid, pour order 66): 5705,8400 5935,8400 5935,8200 5765,8030 5725,8030 5710,8045
NetF3_1 on Bottom Layer "Bottom Layer-NetF3_1 1" (solid, pour order 64): 5939.11,9240 5430,9240 5360,9170 5200,8915 5202.22,8610 5348.22,8145 5348.22,8086.78 5407.91,8027.09 5776.4,8027.09 5933.39,8183.24
NetF4_1 on Bottom Layer "Bottom Layer-NetF4_1" (solid, pour order 58): 5400,9555 5995,9555 6040,9510 6040,9275 6020,9255 5375,9255 5345,9285 5345,9500
NetF7_1 on Bottom Layer "Bottom Layer-NetF7_1" (solid, pour order 32): 2487.26,7675 2490,7672.26 2490,7225 2560,7155 2850,7155 2910,7215 2910,7680
NetF7_1 on Bottom Layer "Bottom Layer-NetF7_1 1" (solid, pour order 30): 2630,9261.45 2883.55,9261.45 2910,9235 2910,7995 2690,7995 2630,8055
NetF7_1 on Bottom Layer "Bottom Layer-NetF7_1 3" (solid, pour order 24): 2115.21,9260.21 2085,9230 2085,8940 2135,8890 2643.93,8890 2680,8977.07 2680,9255 2670,9264.92
NetF8_1 on Bottom Layer "Bottom Layer-NetF8_1" (solid, pour order 22): 1995,8530 2380.53,8125 2655,8125 2700,8170 2700,8812.8 2643.99,8867.72 2035.49,8855.79 1995,8814.5
NetF10_1 on Bottom Layer "Bottom Layer-NetF10_1" (solid, pour order 16): 1950,9270 2085,9270 2080,9265 2080,8865 1940,8865 1930,8855
NetF10_1 on Bottom Layer "Bottom Layer-NetF10_1 2" (solid, pour order 10): 1620,9555 2040,9555 2085,9510 2085,9250 1640,9250 1620,9270
NetF9_1 on Bottom Layer "Bottom Layer-NetF9_1" (solid, pour order 6): 1530,7465 1745,7465 1845,7565 1845,8400 1545.58,8400
"MSTR_SW +" on Top Layer "Top Layer-MSTR_SW + 5" (solid, pour order 166): 6052.6,5177.4 5862.6,5177.4 5805,5235 5805,5317.11 5698.27,5410.86 5698.27,5658.27 5706.81,5666.81 5958.7,5666.81 6080,5556.87 6080,5335 6089.92,5325.08 6095,5325.08 6097.17,5226.3 6075.43,5204.57
V-BUS_PROT on Top Layer "Top Layer-V-BUS_PROT 2" (solid, pour order 138): 6102.09,5612.91 6390,5612.91 6395,5617.91 6395,5752.4 6277.4,5870 6240,5907.4 6122.4,6025 5809.88,6025 5809.88,5915.12 5870,5855 5992.09,5732.91 5992.09,5722.91
V-POS3.3V on Top Layer "Top Layer-V-POS5V 27" (solid, pour order 652): 1850,3333.69 1833.6,3333.69 1829.49,3329.58 1829.49,3299.49 1807.35,3277.35 1794.35,3277.35 1765,3248 1765,3214.49 1774.49,3205 1875,3205 1890,3220 1890,3328.2 1885,3333.2
V-POS3.3V on Top Layer "Top Layer-V-POS5V 26" (solid, pour order 654): 2680,3323.69 2663.6,3323.69 2659.49,3319.58 2659.49,3289.49 2637.35,3267.35 2624.35,3267.35 2595,3238 2595,3204.49 2604.49,3195 2705,3195 2720,3210 2720,3318.2 2715,3323.2
VBATT-1S on Top Layer "Top Layer-VBATT-1S" (solid, pour order 52): 4980.12,8715 4995.12,8700 6380,8700 6450,8630 6450,8445 6375,8370 5690,8370 5639.29,8420.71 4980.12,8420.71
VBATT-1S on Top Layer "Top Layer-VBATT-1S 1" (solid, pour order 44): 2870,9535 5025,9535 5027.5,8947.5 5275,8700 5275,8420 4500,8420 4455,8375 2855.5,8375
V-POS5V on Top Layer "Top Layer-V-POS5V 35" (solid, remove dead copper, pour order 1094): 3555,3365 3505,3365 3498.03,3358.03 3498.03,3297.03 3505.06,3290 3565,3290 3585,3310 3600.4,3310
GND on Top Layer "Top Layer-GND 4" (solid, pour order 256): 5765,3795 5748.76,3778.76 5748.76,3672.39 5758.76,3662.39 5814.81,3662.39 5818.76,3666.34 5818.76,3676.34 5818.76,3785 5808.76,3795
GND on Top Layer "Top Layer-GND 25" (solid, remove dead copper, pour order 1092): 5101.25,4079.24 5110,4070.5 5110,4030.63 5104.37,4025 4970,4025 4965,4030 4965,4070.5 4973.75,4079.24
GND on Top Layer "Top Layer-GND 24" (solid, pour order 910): 4096,5121 4090,5115 4090,5025.59 4100,5015.59 4155.59,5015.59 4160,5020 4160,5111 4150,5121
GND on Top Layer "Top Layer-GND 34" (solid, remove dead copper, pour order 1090): 4010,4615.76 4117.91,4615.76 4125,4608.66 4125,4566.97 4121.02,4562.99 3986.77,4562.99 3983.86,4565.91 3983.86,4608.86 3990,4615
GND on Top Layer "Top Layer-GND 35" (solid, remove dead copper, pour order 1088): 3856.39,4671.39 3825,4640 3825,4579.32 3830,4574.32 3830.68,4575 3950,4575 3955,4580 3955,4629.53 3913.14,4671.39
V-POS5V on Top Layer "Top Layer-V-POS5V 29" (solid, pour order 822): 3983.84,4394.84 3983.84,4354.84 4040.06,4298.62 4092.62,4298.62 4108.84,4314.84 4108.84,4389.84 4103.84,4394.84
NetR169_2 on Top Layer "Top Layer-NetR169_2" (solid, pour order 914): 3965.55,4237.38 3839.78,4237.38 3835,4232.6 3835,4195 3845,4185 3964.72,4185 3970,4190.28 3970,4232.93
V-POS3.3V on Top Layer "Top Layer-V-POS3.3V 7" (solid, pour order 912): 3882,4400.11 3824.52,4400.11 3822,4397.59 3822,4305.2 3832.2,4295 3876.54,4295 3885,4303.46 3885,4397.11
GND on Top Layer "Top Layer-GND 44" (solid, remove dead copper, pour order 1086): 3882.6,3947.6 3958.34,3947.6 3978.52,3927.42 4115.21,3927.42 4125,3917.63 4125,3879.7 4116.26,3870.96 3939.04,3870.96 3915,3895 3875,3895 3870,3900 3870,3935
V-POS5V on Top Layer "Top Layer-V-POS5V 30" (solid, pour order 812): 3985,3710 3985,3667.5 4166.91,3667.5 4179.71,3680.29 4179.71,3710.29 4169.71,3720.29 3995.29,3720.29
V-POS5V on Top Layer "Top Layer-V-POS5V 32" (solid, remove dead copper, pour order 1082): 4108.74,4721.26 4108.74,4688.74 4091.39,4671.39 3938.61,4671.39 3925,4685 3925,4720 3940,4735 4095,4735
GND on Top Layer "Top Layer-GND 31" (solid, pour order 340): 6265,3000.6 6265,2905 6270,2900 6405,2900 6410,2905 6407.17,2907.83 6407.17,2987.83 6384.18,3010.82 6274.4,3010.06
GND on Top Layer "Top Layer-GND 37" (solid, pour order 328): 5205.63,2968.25 5205.63,2925.51 5211.14,2920 5270,2920 5290,2900 5340,2900 5345,2905 5355,2905 5355,2968.22 5328.22,2995 5232.38,2995
VOLTAGE_SIG on Top Layer "Top Layer-VOLTAGE_SIG" (solid, pour order 160): 5215,5555 5195,5555 5187.6,5543.54 5187.6,5469.51 5207.11,5450 5345,5450 5360,5465 5360,5545.47 5350.47,5555
V-POS5V on Top Layer "Top Layer-V-POS5V 25" (solid, pour order 698): 3489.12,3760 3500,3770.88 3500,3785 3505,3790 3695,3790 3695,3789.88 3705,3779.88 3705,3750 3695,3740 3425.06,3740 3420,3745.06 3420,3760
TELEM_I_28V on Top Layer "Top Layer-TELEM_I_28V" (solid, remove dead copper, pour order 1080): 2091.16,4965 2068.76,4965 2060,4956.24 2060,4864.82 2072.42,4852.4 2186.16,4852.4 2200,4866.24 2200,4948.06 2185.02,4965
GND on Top Layer "Top Layer-GND 45" (solid, remove dead copper, pour order 1078): 1915,4845.31 1915,4845 1910,4840 1910,4770 1915,4765 1990,4765 1995,4770 1994.45,4770.55 1994.45,4840.87 1990,4845.31
NetR213_1 on Top Layer "Top Layer-NetR213_1" (solid, remove dead copper, pour order 1076): 2055.71,5052.6 2065,5043.31 2124.09,5043.31 2130,5037.4 2130,4990 2120,4980 2010,4980 2005,4985 2005,5047.6 2010,5052.6
VPOS-24V_RAW on Top Layer "Top Layer-VPOS-24V_RAW 5" (solid, remove dead copper, pour order 1074): 1765,4900 1761,4896 1761,4791 1761,4775 1765.75,4770 1886.87,4770 1900,4780.42 1900,4895 1895,4900
NetC83_2 on Top Layer "Top Layer-NetC83_2 1" (solid, remove dead copper, pour order 1072): 1846.97,4927.6 1890,4970.63 1890,5143.94 1921.06,5175 1921.06,5193.94 1915,5200 1788.46,5200 1775,5186.54 1775,5020 1755.39,5000.39 1755.39,4935.24 1763.03,4927.6
Charge_LV on Top Layer "Top Layer-Charge_LV" (solid, remove dead copper, pour order 1070): 2100,5360 2107.01,5352.99 2107.01,5317.01 2100,5310 2040,5310 2020,5330 1970,5330 1965,5335 1965,5355 1970,5360
NetD32_2 on Top Layer "Top Layer-NetD32_2" (solid, remove dead copper, pour order 1064): 17 vertices, not listed, extent 1635.02,5405 1905,5980
GND on Top Layer "Top Layer-GND 1" (solid, remove dead copper, pour order 1056): 28 vertices, not listed, extent 1855,5255 2020,5565
NetC83_1 on Top Layer "Top Layer-NetC83_1" (solid, remove dead copper, pour order 1062): 1865,5365 1815,5315 1780,5315 1775,5310 1775,5260 1780,5255 1921.06,5255 1926.06,5260 1926.06,5305 1925,5305 1905,5325 1905,5360 1900,5365
NetC83_2 on Top Layer "Top Layer-NetC83_2" (solid, remove dead copper, pour order 1060): 1695,5560 1611.51,5560 1605,5553.49 1605,5470 1605,5345 1750,5200 1775,5175 1921.06,5175 1930,5183.94 1930,5229 1920,5239 1785.76,5239 1705,5319.76 1705,5550
GND on Top Layer "Top Layer-GND 2" (solid, remove dead copper, pour order 1058): 1865,5400 1850,5400 1845,5405 1845,5430.51 1840.51,5435 1725,5435 1720,5430 1720,5360.39 1730.39,5350 1835,5350 1854.99,5370.7 1865,5371.05
V-POS_HV_12V on Top Layer "Top Layer-V-POS_HV_12V" (solid, remove dead copper, pour order 1052): 21 vertices, not listed, extent 1960,5405 2190,5975
V-POS3.3V on Top Layer "Top Layer-V-POS3.3V 8" (solid, remove dead copper, pour order 1050): 4065,4880 4060,4885 4060,4995 4065,5000 4290,5000 4295,4995 4295,4950 4294.49,4950 4289.49,4945 4160,4945 4125,4910 4125,4886.97 4118.03,4880 4110.04,4880
LIM_MCU3 on Top Layer "Top Layer-LIM_MCU3" (solid, pour order 572): 2110.09,2655.09 2110,2470.6 2115,2465.6 2165,2465.6 2175,2475.6 2175,2655.04 2169.44,2660.55 2115.1,2660.13
GND on Top Layer "Top Layer-GND 75" (solid, pour order 564): 2259.53,2009.53 2164.53,2009.53 2140,1985 2140,1785 3051,1785 3090,1824 3090,1832.89 3055,1865 2960,2060 2890,2010
GND on Top Layer "Top Layer-GND 6" (solid, remove dead copper, pour order 1046): 18 vertices, not listed, extent 1980,2470 2096.83,2615
CAN1_H on Top Layer "Top Layer-CAN1_H 1" (solid, pour order 782): 1865,2515 1860,2510 1860,2373.52 1883.52,2350 1975,2350 2045,2350 2055,2360 2055,2425 2040,2440 1905,2440 1890,2455 1890,2512.4 1887.4,2515
NetP19_2 on Top Layer "Top Layer-NetP19_2" (solid, remove dead copper, pour order 1044): 6555,860 6545,870 6390,870 6380,860 6380,810 6390,800 6545,800 6555,810
NetC70_1 on Top Layer "Top Layer-NetC70_1" (solid, remove dead copper, pour order 1042): 6358.74,3301.3 6359.3,3300.74 6445.74,3300.74 6455,3310 6455,3473.6 6433.6,3495 6358.35,3495 6340,3476.65 6340,3320.01
NetC70_1 on Top Layer "Top Layer-NetC70_1 1" (solid, remove dead copper, pour order 1040): 6430,3301.3 6430.56,3300.74 6445.74,3300.74 6455,3310 6455,3358.87 6441.25,3372.61 6349.34,3372.61 6340,3363.28 6340,3320.04 6358.74,3301.3
V-POS12V on Top Layer "Top Layer-V-POS12V" (solid, pour order 276): 21 vertices, not listed, extent 5905,3165 6305,3438.64
GND on Top Layer "Top Layer-GND 8" (solid, remove dead copper, pour order 1014): 6325.77,3537.23 6439.43,3537.23 6449.11,3546.92 6449.11,3972.23 6060.22,3972.23 6054.11,3966.13 6054.11,3903.95 6065.83,3892.23 6309.11,3892.23 6319.11,3882.23 6319.11,3555.83 6319.11,3543.89
GND on Top Layer "Top Layer-GND 20" (solid, remove dead copper, pour order 1000): 5888.27,3970.68 5885,3967.41 5885,3880 5902.59,3862.41 5926.45,3862.41 5945,3880.96 5945,3967.41 5941.73,3970.68
V-POS5V on Top Layer "Top Layer-V-POS5V 1" (solid, remove dead copper, pour order 998): 5745,4045 5745,4044.49 5728.46,4027.95 5728.46,3987.05 5730.51,3985 5785.32,3985 5810.32,4010 5881.94,4010 5896.94,3995 5951.09,3995 5955,3998.91 5955,4040 5950,4045 5917.28,4045
NetR151_1 on Top Layer "Top Layer-NetR151_1" (solid, remove dead copper, pour order 1036): 6687.39,3640.8 6685,3638.42 6685,3599.31 6670,3584.31 6670,3535.69 6674.89,3530.8 6710,3530.8 6714.89,3535.69 6715,3535.69 6715,3593.21 6722.6,3600.8 6745,3600.8 6750,3605.8 6750,3640.8
NetC69_1 on Top Layer "Top Layer-NetC69_1" (solid, remove dead copper, pour order 1034): 6462.27,3644.23 6455,3636.96 6455,3614.23 6460,3609.23 6464.89,3609.23 6515.68,3609.23 6540,3584.9 6540,3534.12 6544.89,3529.23 6585,3529.23 6595,3539.23 6595,3642.61 6593.39,3644.23
GND on Top Layer "Top Layer-GND 9" (solid, remove dead copper, pour order 1032): 6745,3720 6740,3725 6546.31,3725 6539.37,3725 6530,3715.63 6530,3705.63 6513.8,3688.68 6423.6,3688.68 6420,3685.09 6420,3662.09 6427,3655.09 6528.27,3655.09 6538.27,3665.09 6739,3665.09 6745,3671.09
NetC65_2 on Top Layer "Top Layer-NetC65_2" (solid, remove dead copper, pour order 1030): 6460,3708.78 6515,3708.78 6519.93,3713.63 6520.13,3726.27 6543,3748.78 6760,3748.78 6835,3823.78 6835,4057.81 6820,4072.81 6578.4,4072.81 6455,3949.41 6455,3713.78
NetC70_1 on Top Layer "Top Layer-NetC70_1 2" (solid, remove dead copper, pour order 1028): 18 vertices, not listed, extent 6007.72,3991.2 6850,4453.78
NetR154_1 on Top Layer "Top Layer-NetR154_1" (solid, remove dead copper, pour order 1026): 6230,3610 6188.96,3610 6183.06,3604.1 6183.06,3563.33 6193.06,3553.33 6292.3,3553.33 6301.53,3562.56 6301.53,3584.1 6298.91,3586.72 6245.45,3586.72 6230.9,3601.27 6230.9,3609.1
"MSTR_SW +" on Top Layer "Top Layer-MSTR_SW + 2" (solid, remove dead copper, pour order 1022): 5954.06,3495.94 5940,3509.99 5940,3661.5 5972.28,3693.78 5975,3693.78 6295,3693.78 6303.46,3685.31 6303.46,3661.3 6293.54,3651.38 6237.12,3651.38 6209.52,3623.78 6094.41,3623.78 6090,3619.37 6090,3504.26 6081.68,3495.94
NetC65_1 on Top Layer "Top Layer-NetC65_1" (solid, remove dead copper, pour order 1018): 6240.67,3799.5 6235.67,3794.5 6235.67,3709.69 6240.87,3704.5 6300.87,3704.5 6304.33,3707.96 6304.33,3791.98 6296.81,3799.5
GND on Top Layer "Top Layer-GND 93" (solid, remove dead copper, pour order 1016): 17 vertices, not listed, extent 6005,3723.78 6225,3912.46
NetC65_2 on Top Layer "Top Layer-NetC65_2 1" (solid, remove dead copper, pour order 1012): 6194.79,3878.78 6189.79,3873.78 6189.79,3831.02 6195,3825.81 6294.09,3825.81 6302.28,3825.81 6306.13,3829.66 6306.13,3873.78 6301.13,3878.78
GND on Top Layer "Top Layer-GND 5" (solid, remove dead copper, pour order 1010): 6135,4525 6194.06,4525 6215,4545.94 6215,4459.36 6222.28,4449.99 6222.28,4348.78 6185,4348.78 6185,4450.63 6135,4500.63
NetR140_2 on Top Layer "Top Layer-NetR140_2" (solid, pour order 208): 6270,4590 6270,4530 6280,4520 6280,4470 6285,4465 6290,4460 6348.82,4460 6358.03,4469.21 6358.03,4520.71 6338.74,4540 6338.74,4586.26 6335,4590
NetR141_1 on Top Layer "Top Layer-NetR141_1 1" (solid, remove dead copper, pour order 1006): 6125.67,4449.37 6116.26,4439.96 6116.26,4398.74 6125.63,4389.37 6171.28,4389.37 6175.63,4393.72 6175.63,4444.37 6170.63,4449.37
NetC55_1 on Top Layer "Top Layer-NetC55_1" (solid, remove dead copper, pour order 1002): 6075,4452.24 5986.34,4452.24 5980.69,4446.59 5980.69,4396.59 5990.03,4387.24 6074.72,4387.24 6081.3,4393.82 6081.3,4445.95
GND on Top Layer "Top Layer-GND 11" (solid, pour order 210): 6505,4511.26 6505,4345 6440.31,4280.31 5885,4280.31 5885,4350 5905,4370 6311.22,4370 6370,4428.78 6370.12,4521.42 6379.81,4521.62 6501.98,4518.8
NetR144_1 on Top Layer "Top Layer-NetR144_1" (solid, remove dead copper, pour order 996): 5840,3990.68 5813.45,3990.68 5800,3977.24 5800,3940 5825,3915 5825,3870 5830,3865 5865,3865 5875,3875 5875,3985 5869.94,3989.85
TELEM_I_5V on Top Layer "Top Layer-TELEM_I_5V" (solid, remove dead copper, pour order 994): 5710,3925.63 5685.72,3925.63 5674.13,3914.05 5674.13,3865.87 5680,3860 5790,3860 5795,3865 5795,3918.68 5785,3924.94
V-POS5V on Top Layer "Top Layer-V-POS5V 8" (solid, remove dead copper, pour order 992): 5805.37,4045.37 5795,4035 5795,4020 5805,4010 5950,4010 5950,4046.38
V-POS5V on Top Layer "Top Layer-V-POS5V 33" (solid, remove dead copper, pour order 990): 6367.24,3238.5 6351.35,3222.61 6282.61,3222.61 6270,3210 6270,3185 6290,3165 6316.5,3165 6351.5,3200 6440.63,3200 6445,3204.37 6445,3235 6441.5,3238.5
V-POS5V on Top Layer "Top Layer-V-POS5V 34" (solid, remove dead copper, pour order 988): 6084.09,3190 6082.6,3188.5 6082.6,3141.97 6065,3124.37 6065,3107.6 6082.6,3090 6110,3090 6145,3125 6145,3188.5 6143.5,3190
GND on Top Layer "Top Layer-GND 3" (solid, pour order 260): 5592.17,3756.09 5577.17,3741.09 5577.17,3636.09 5587.16,3626.09 5640.93,3626.09 5645.87,3631.02 5645.87,3747.39 5637.17,3756.09
LIM_OK on Top Layer "Top Layer-LIM_OK" (solid, remove dead copper, pour order 974): 4714,2365 4665,2365 4635,2335 4635,2253.27 4668.27,2220 4808.2,2220 4825,2236.8 4825,2330 4790,2365
GND on Top Layer "Top Layer-GND 80" (solid, pour order 516): 4785,2995 4785,2865 4794.37,2855.63 4815.63,2855.63 4825,2865 4825,2985 4815,2995
GND on Top Layer "Top Layer-GND 106" (solid, remove dead copper, pour order 972): 3575,7655 3550,7630 3550,7505 3560,7495 3815.06,7495 3840.06,7520 3840.06,7634.94 3820,7655